# KiCad board visionboard.kicad_pcb
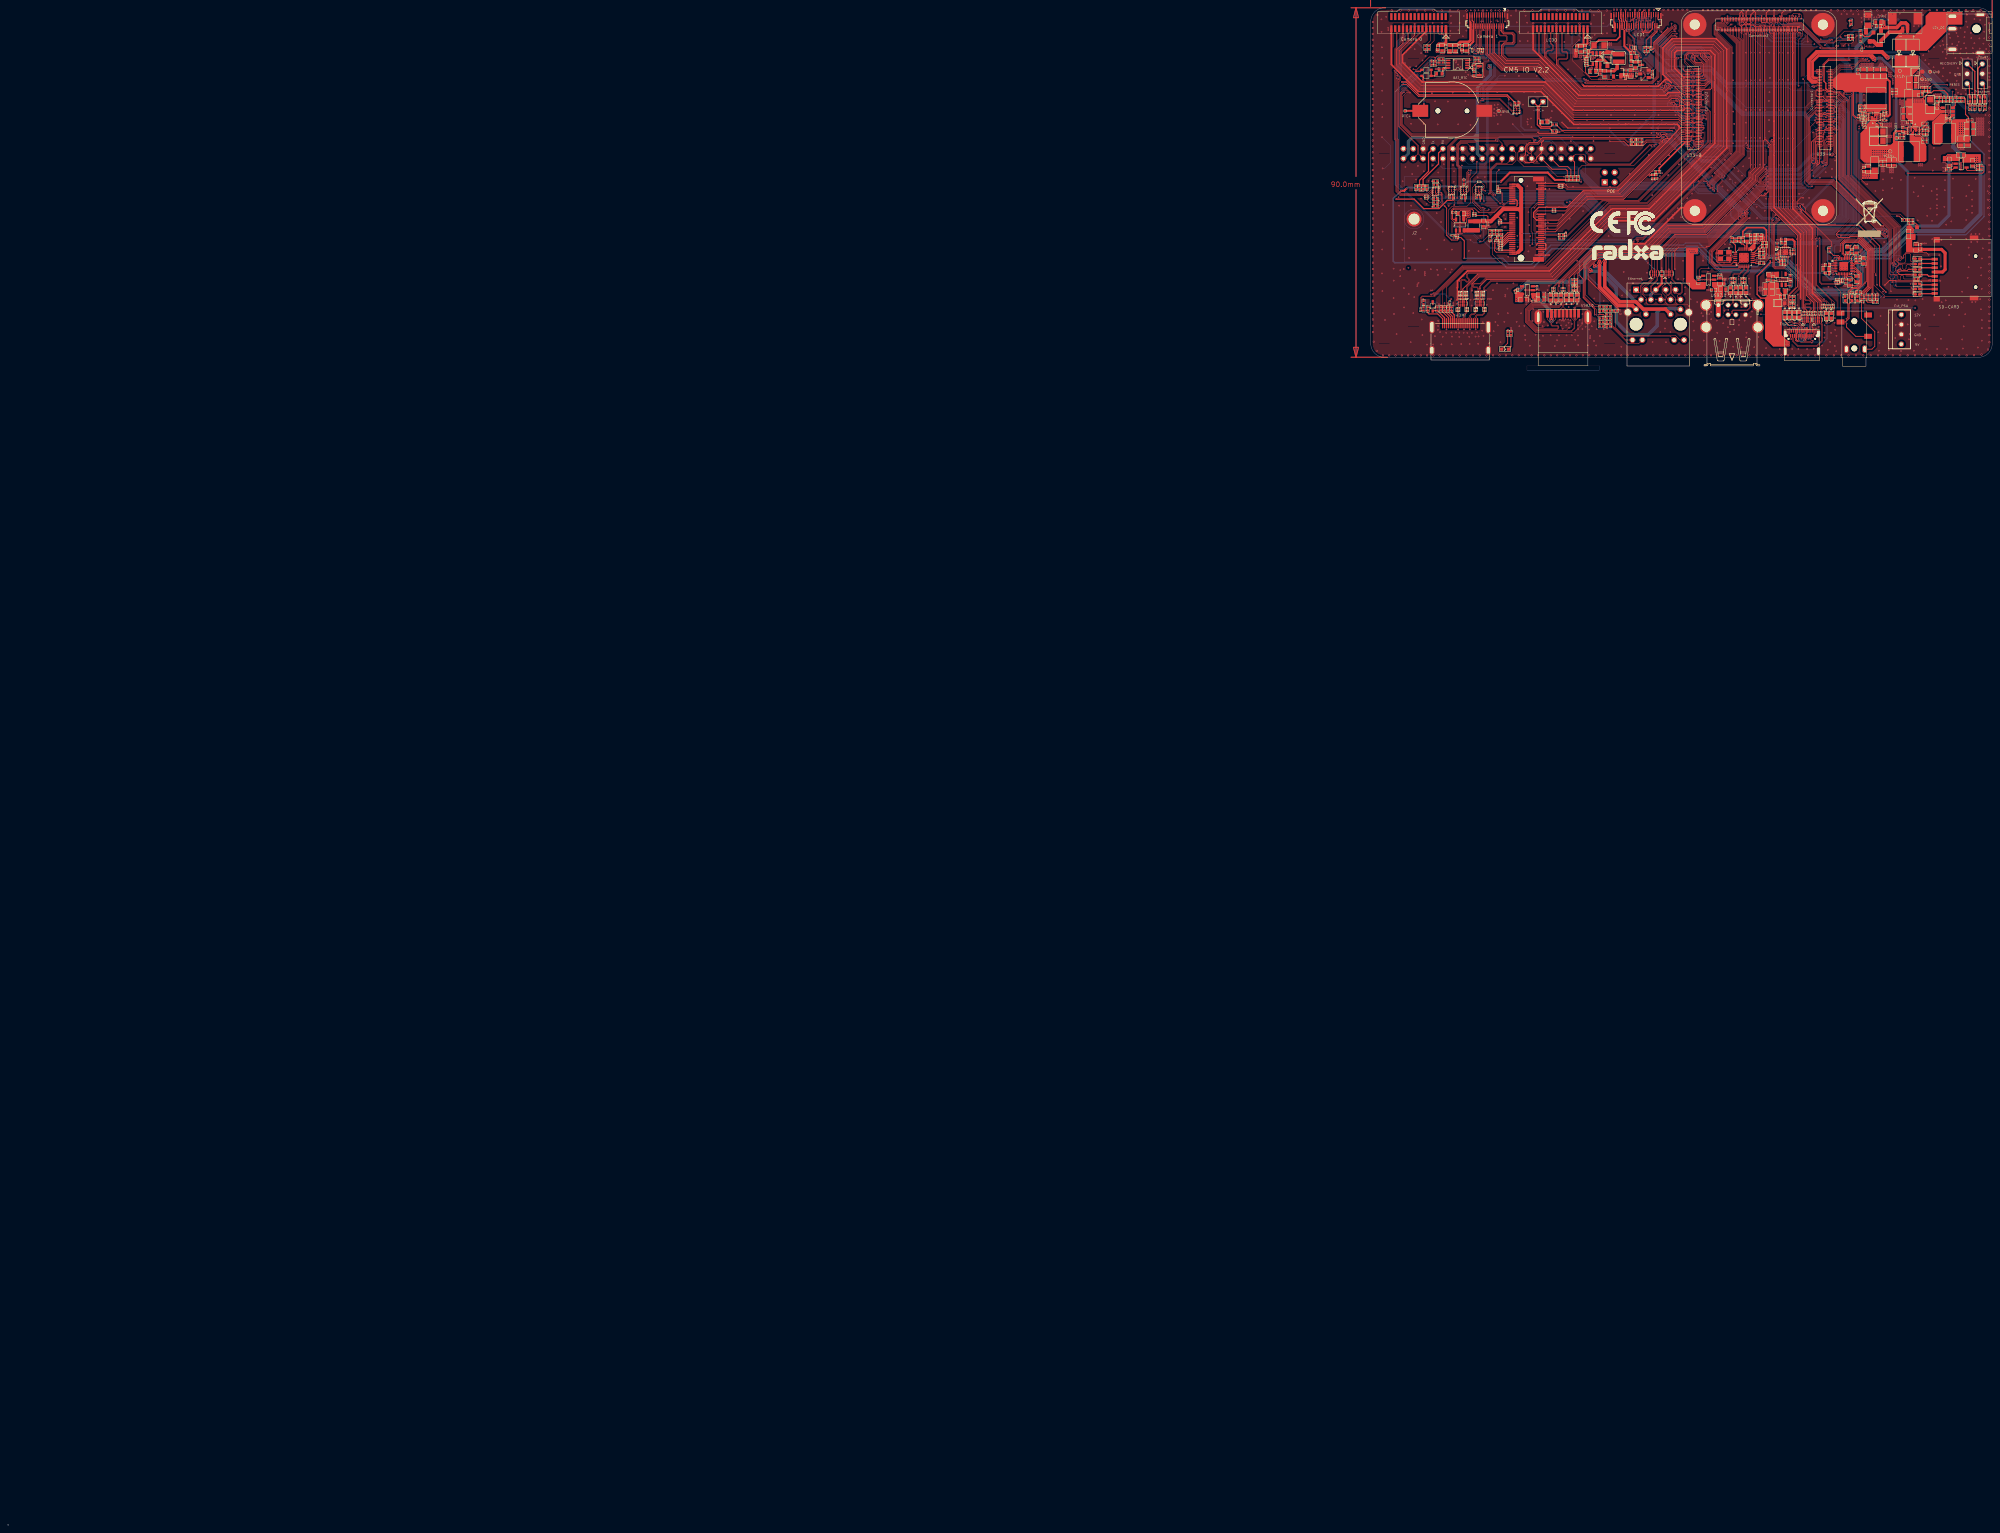
[diagram p0: board, top side]
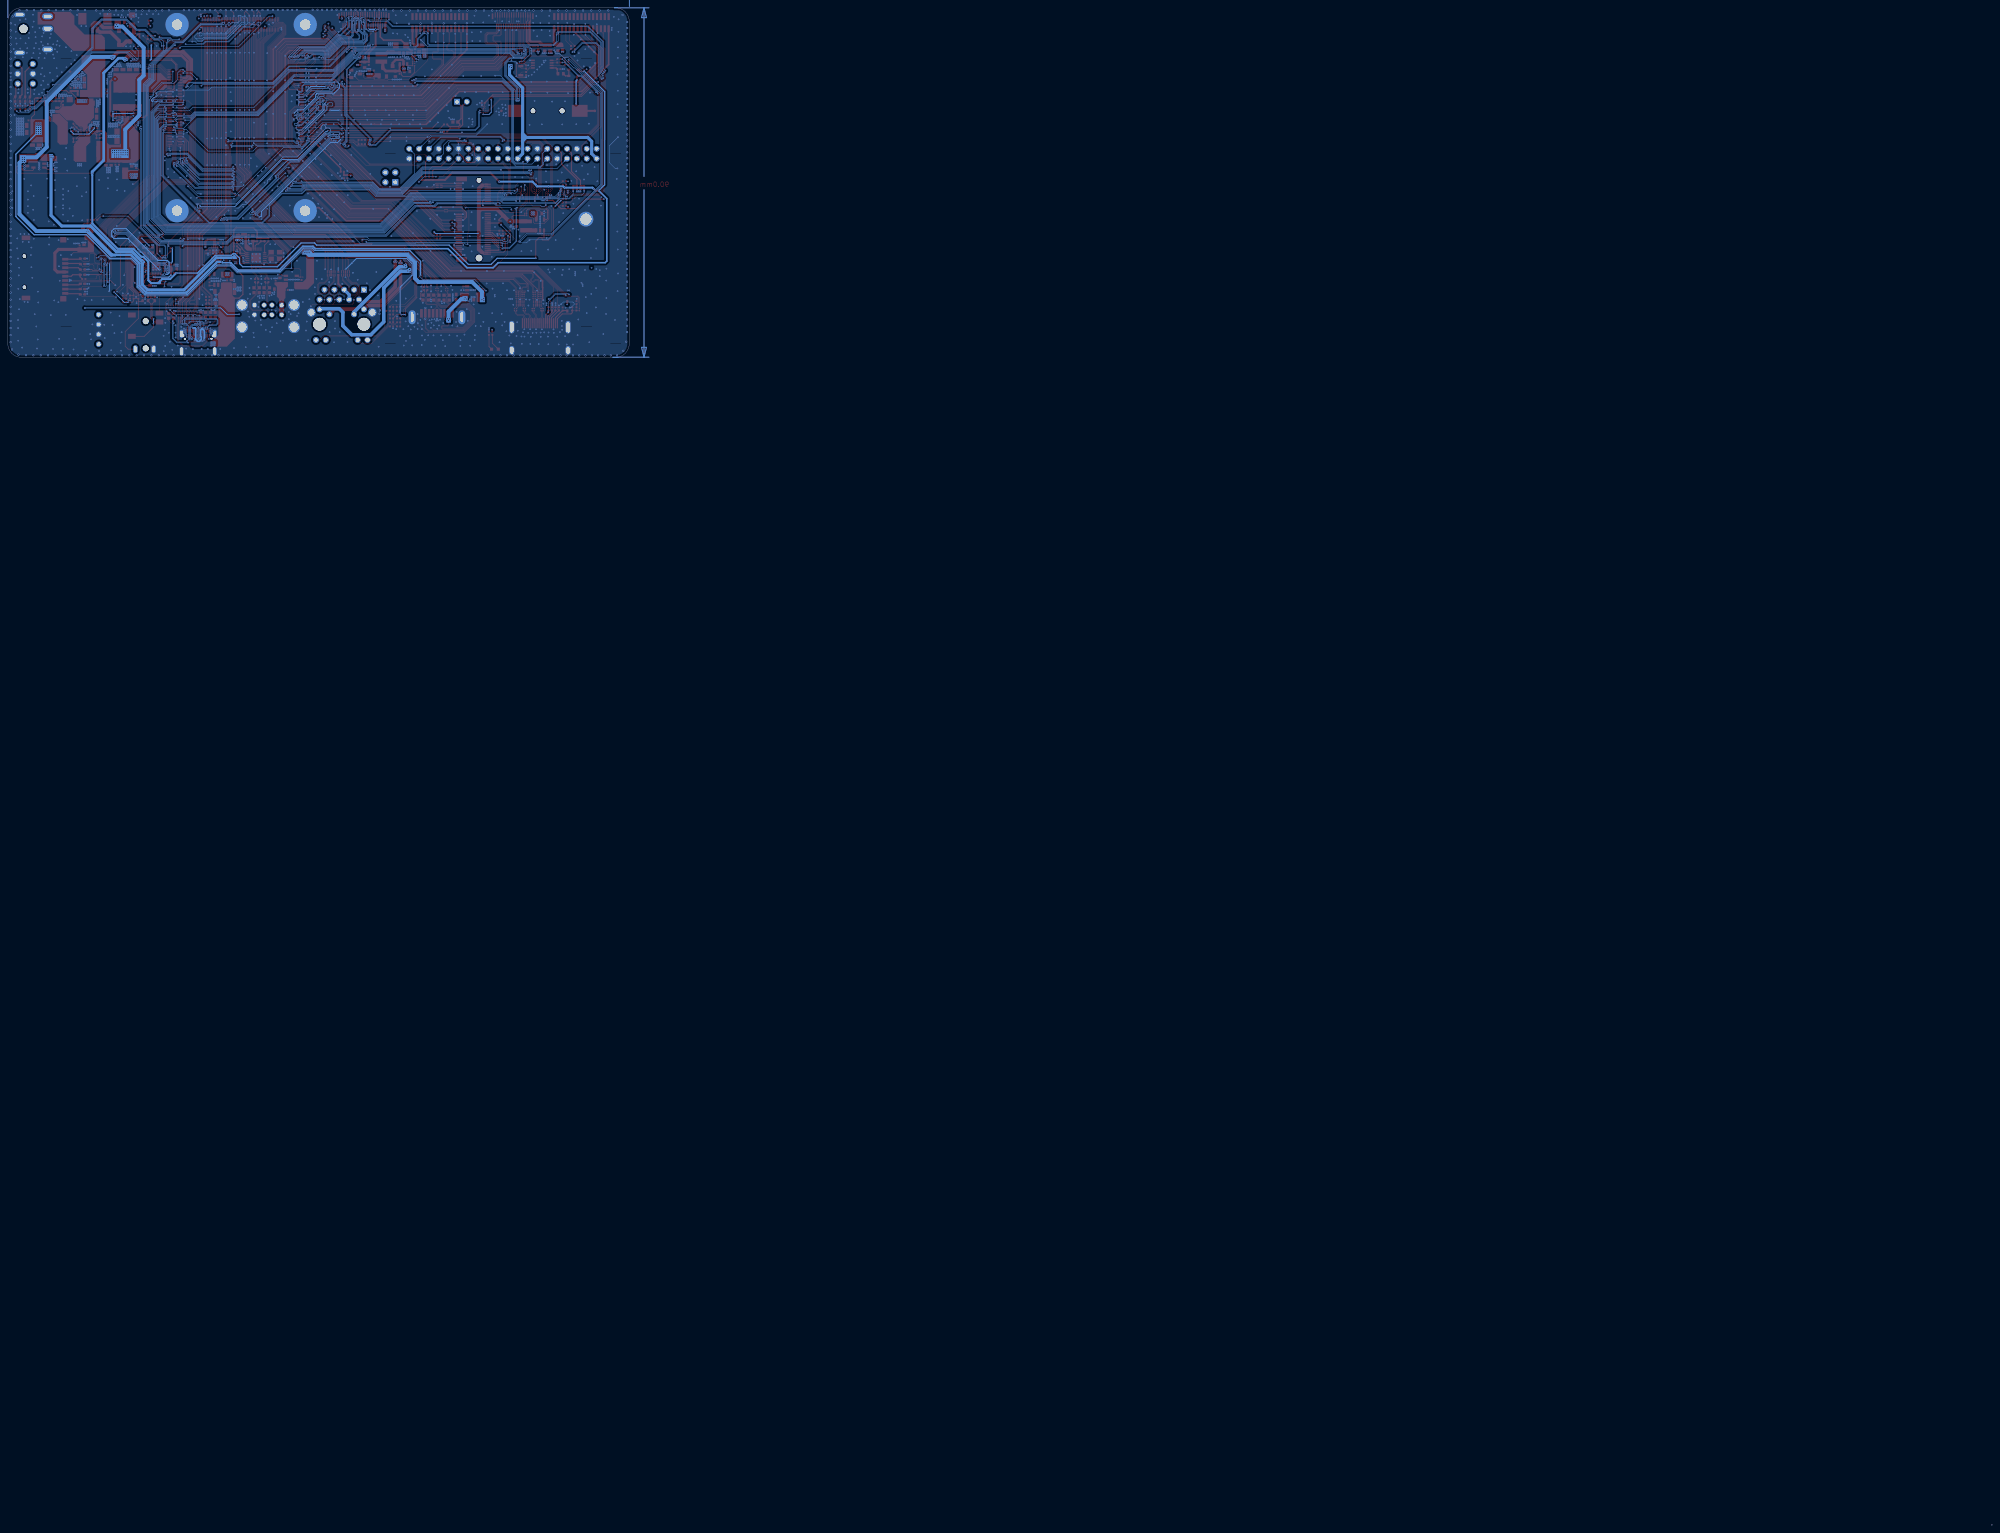
[diagram p1: board, bottom side, seen from below]

Outline 510.94 x 390.79 mm; copper layers: Top, GND, Power, Bottom. Coordinates in mm from the lower left corner of the outline.
Outline path: 0,0.25 0,0 0.25,0 0.25,0.25 0,0.25 ; 350.93,387.29 arc(351.96,389.77) 354.43,390.79 507.44,390.79 arc(509.92,389.77) 510.94,387.29 510.94,304.27 arc(509.92,301.8) 507.44,300.77 354.43,300.77 arc(351.96,301.8) 350.93,304.27 350.93,387.29

## Placement (name value [footprint] x y rotation side)
C1  -  [C0402]  368.08 313.22 90 top
C3  -  [C0402]  425.84 322.39 270 top
C4  -  [C0603]  491.31 329.07 90 top
C5  -  [C0402]  492.43 329.19 90 top
C34  -  [C0402]  406.13 380.57 270 top
C83  -  [C0603]  447.83 331.42 270 top
C84  -  [C0402]  449.33 332.29 180 top
C85  -  [C0402]  451.01 331.49 180 top
C87  -  [C0402]  449.33 331.42 180 top
C88  -  [C0402]  449.33 330.47 180 top
C89  -  [C0402]  451.51 327.57 0 top
C126  -  [C0402]  481.71 386.07 0 top
C127  -  [C0603]  481.63 387.09 0 top
C129  -  [C0402]  493.63 356.22 180 top
C130  -  [C0603]  479.01 349.27 90 top
C131  -  [C0402]  477.91 349.12 90 top
C132  -  [C0805]  488.93 364.37 180 top
C133  -  [C0402]  489.71 361.29 180 top
C134  -  [C0805]  488.93 362.62 180 top
C135  -  [C0402]  482.31 350.77 270 top
C136  -  [C0603]  484.33 350.92 270 top
C137  -  [C0603]  485.66 350.92 270 top
C138  -  [C0402]  483.23 350.77 270 top
C139  -  [C0402]  487.93 359.39 90 top
C140  -  [C0402]  485.71 368.82 180 top
C141  -  [C0402]  492.96 369.74 90 top
C142  -  [C0805]  490.38 370.67 0 top
C143  -  [C0402]  487.68 358.09 180 top
C144  -  [C0402]  493.31 358.62 90 top
C145  -  [C0402]  499.58 361.69 180 top
C146  -  [C0402]  496.73 365.39 90 top
C147  -  [C1206]  494.98 365.89 90 top
C148  -  [C0402]  502.36 367.14 270 top
C149  -  [C0805]  504.58 356.27 270 top
C150  -  [C0402]  505.21 361.79 0 top
C151  -  [C0805]  490.38 372.42 180 top
C152  -  [C0402]  485.71 369.72 180 top
C153  -  [C0402]  496.73 367.14 90 top
C154  -  [C0805]  505.21 358.69 0 top
C155  -  [C0805]  505.21 360.49 0 top
C156  -  [C0805]  502.86 356.27 270 top
C265  -  [C0603]  374.13 337.82 180 top
C266  -  [C0201]  377.58 337.27 180 top
C267  -  [C0603]  379.98 335.22 270 top
C268  -  [C0201]  380.98 335.12 270 top
C269  -  [C0201]  373.13 332.19 0 top
C548  -  [C0603]  372.69 380.41 270 top
C549  -  [C0201]  373.68 380.89 270 top
C558  -  [C0402]  416.68 374.22 90 top
C559  -  [C0603]  417.86 373.82 90 top
C560  -  [C0402]  477.31 316.29 270 top
C561  -  [C0402]  476.46 317.57 180 top
C562  -  [C0603]  473.71 328.41 90 top
C563  -  [C0402]  474.83 327.99 90 top
C564  -  [C0603]  475.91 328.36 90 top
C565  -  [C0603]  477.86 325.59 90 top
C568  -  [C0603]  476.03 320.92 90 top
C569  -  [C0603]  474.31 319.98 270 top
C570  -  [C0402]  473.21 320.38 270 top
C571  -  [C0402]  468.53 324.62 180 top
C572  -  [C0603]  468.13 323.52 180 top
C573  -  [C0402]  476.36 325.78 0 top
C574  -  [C0402]  476.36 326.66 0 top
C658  -  [C0805]  453.41 317.47 180 top
C750  -  [C0201]  379.18 379.84 90 top
C812  -  [C0603]  375.46 380.42 270 top
C813  -  [C0201]  376.43 380.87 270 top
C2010  -  [C0201]  468.93 313.89 270 top
C2011  -  [C0201]  468.31 313.89 270 top
C2013  -  [C0201]  464.92 312.12 270 top
C2014  -  [C0201]  465.52 312.12 270 top
C2019  -  [C0201]  462.21 312.12 270 top
C2020  -  [C0201]  462.81 312.12 270 top
C2280  -  [C0201]  400.13 318.24 270 top
C2281  -  [C0201]  400.73 318.24 270 top
C2282  -  [C0603]  394.78 316.97 0 top
C2283  -  [C0603]  394.81 315.62 0 top
C2284  -  [C0201]  392.88 315.27 180 top
C2330  -  [C0603]  505.86 350.74 270 top
C2332  -  [C0603]  499.93 350.92 270 top
C2335  -  [C0603]  419.08 376.09 270 top
C2606  -  [C0402]  454.48 320.99 270 top
C2607  -  [C0603]  453.38 321.42 270 top
C2608  -  [C0402]  457.16 331.09 180 top
C2609  -  [C0402]  457.16 330.19 180 top
C2611  -  [C0402]  456.93 316.37 0 top
C2612  -  [C0402]  459.85 327.94 270 top
C2613  -  [C0402]  455.55 329.66 90 top
C2614  -  [C0402]  455.48 326.84 270 top
C7320  -  [C0402]  479.46 316.29 270 top
C7322  -  [C0402]  481.33 316.29 90 top
C90084  -  [C0201]  477.53 315.17 0 top
C90392  -  [C0201]  398.11 338.24 180 top
C90393  -  [C0201]  398.11 338.84 180 top
C90399  -  [C0402]  384.38 332.97 270 top
C90408  -  [C0603]  411.13 373.79 270 top
C90409  -  [C0603]  408.13 374.39 180 top
C90410  -  [C0402]  410.06 374.19 270 top
C90420  -  [C0201]  378.01 316.22 270 top
C90421  -  [C0201]  375.71 316.17 270 top
C90422  -  [C0201]  375.13 316.17 270 top
C90423  -  [C0201]  373.66 316.17 270 top
C90424  -  [C0201]  374.21 316.17 270 top
C90425  -  [C0201]  380.08 316.22 270 top
C90426  -  [C0201]  379.51 316.22 270 top
C90427  -  [C0201]  378.53 316.22 270 top
C90429  -  [C0201]  371.28 314.84 270 top
C90430  -  [C0201]  363.76 313.02 270 top
C90431  -  [C0603]  405.03 380.19 270 top
C90448  -  [C0402]  406.13 378.84 90 top
C90478  -  [C0805]  481.28 374.02 90 top
C90479  -  [C0805]  479.58 374.02 90 top
C90480  -  [C1206]  481.56 356.47 0 top
C90481  -  [C0201]  476.53 362.82 270 top
C90482  -  [C0201]  478.21 363.44 270 top
C90483  -  [C0402]  481.81 360.59 0 top
C90484  -  [C1206]  481.56 358.92 0 top
C90485  -  [C0805]  477.83 374.02 90 top
C90486  -  [C0201]  482.98 362.62 270 top
C90487  -  [C0201]  478.01 360.74 180 top
C90488  -  [C0402]  476.46 374.29 90 top
C90489  -  [C0402]  477.41 365.34 0 top
C90490  -  [C0805]  483.01 374.02 90 top
C90582  -  [C0603]  390.27 315.61 180 top
C90615  -  [C0402]  377.48 373.84 270 top
C90616  -  [C0402]  377.48 375.54 90 top
C90617  -  [C0402]  369.06 374.99 180 top
C90618  -  [C0402]  367.61 341.59 0 top
C90750  -  [C0603]  418.76 378.09 0 top
C90751  -  [C0402]  418.38 379.19 0 top
C90772  -  [C0402]  417.98 376.49 270 top
C90773  -  [C0402]  435.31 320.29 90 top
C90774  -  [C0603]  440.86 320.52 90 top
C90775  -  [C0603]  441.59 318.34 0 top
C90776  -  [C0402]  439.23 318.12 180 top
C90777  -  [C0402]  441.98 320.14 90 top
C90778  -  [C0603]  369.28 380.47 270 top
C90779  -  [C0201]  370.23 380.87 270 top
C90780  -  [C0805]  456.76 317.74 0 top
C90781  -  [C0805]  453.41 319.27 180 top
C90782  -  [C0402]  374.83 341.97 0 top
C90783  -  [C0402]  371.78 341.97 0 top
C90784  -  [C0402]  378.68 341.94 0 top
C90787  -  [C0402]  374.91 345.89 270 top
C90788  -  [C0402]  388.54 366.28 180 top
C90789  -  [C0402]  424.36 347.29 270 top
C90790  -  [C0402]  423.53 347.29 270 top
CN14A1  -  [TF-CKT01-009D]  506.67 322.84 0 top
CON1  -  [DIP40PIN_2D54MM]  359.33 354.49 0 top
D1  -  [SOD_323]  366.88 313.89 270 top
D2  -  [SOD_323]  365.28 373.25 0 top
D3  -  [ESD0402_1XD5]  410.31 310.79 180 top
D4  -  [ESD0402_1XD5]  410.33 312.74 0 top
D37  -  [SOD_123]  482.31 383.02 90 top
D41  -  [SOD_123]  455.68 314.72 180 top
D45  -  [DO_214AC]  490.48 379.19 270 top
D46  -  [DO_214AC]  486.93 379.19 270 top
D47  -  [SOD_123]  491.11 374.32 180 top
D48  -  [ESD0402_1XD5]  364.41 344.47 90 top
D49  -  [ESD0402_1XD5]  363.48 344.47 90 top
D5000  -  [SOD_123]  411.86 377.57 270 top
D90031  -  [ESD0402]  404.03 316.17 270 top
D90032  -  [ESD0402]  402.61 316.17 270 top
D90033  -  [ESD0402]  398.63 316.14 270 top
D90034  -  [ESD0402]  397.28 316.14 270 top
D90035  -  [ESD0402]  399.91 316.14 270 top
D90037  -  [ESD0402]  401.28 316.17 270 top
D90038  -  [SOD_323]  365.28 374.82 0 top
ED1  -  [ESD0402_1XD5]  365.61 313.24 90 top
ED2  -  [ESD0402_1XD5]  369.03 313.24 90 top
ED3  -  [ESD0402_1XD5]  369.93 313.24 90 top
ED5  -  [ESD0402_1XD5]  370.83 313.24 90 top
ED6  -  [ESD0402]  444.96 318.04 270 top
ED9  -  [E0402N]  491.71 316.99 180 top
ED10  -  [E0402N]  491.71 318.34 180 top
ED11  -  [E0402N]  491.71 319.69 180 top
ED12  -  [E0402N]  491.71 322.04 180 top
ED13  -  [E0402N]  491.68 323.39 180 top
ED14  -  [E0402N]  491.68 324.79 180 top
ED15  -  [E0402N]  491.68 326.19 180 top
ED20  -  [ESD0402]  447.54 318.05 270 top
ED21  -  [ESD0402]  446.19 318.05 270 top
ED22  -  [ESD0402]  443.56 318.05 270 top
ED2109  -  [E0402N]  476.23 315.92 90 top
ED2110  -  [E0402N]  473.08 315.91 90 top
ED2111  -  [E0402N]  474.83 315.92 90 top
ED4806  -  [E0402N]  507.78 367.27 270 top
ED7104  -  [ESD0402]  395.71 361.37 0 top
ED9203  -  [E0402N]  509.03 367.27 270 top
ED9204  -  [E0402N]  505.23 367.27 270 top
ED9205  -  [E0402N]  506.46 367.27 270 top
ED9206  -  [ESD0402_1XD5]  371.73 313.24 90 top
ESD2701  -  [ESD0402]  469.51 311.47 90 top
ESD2702  -  [ESD0402]  457.56 311.72 90 top
ESD2703  -  [ESD0402]  461.21 311.72 90 top
ESD2704  -  [ESD0402]  468.21 311.47 90 top
ESD2706  -  [ESD0402]  458.69 311.73 90 top
ESD27052  -  [ESD0402]  460.06 311.73 90 top
FB2  -  [L0402]  368.18 380.49 90 top
FB6  -  [L0402]  403.96 380.44 90 top
FB7  -  [L0402]  374.41 380.49 90 top
FB261  -  [MCZ1210AH900L2]  400.46 344.57 90 top
J1  -  [HDMIA19S]  373.93 309.54 180 top
J2  -  [HOLE_D5_3D]  362.08 336.36 0 top
J3  -  [RJ45_HRK1]  419.24 318.19 0 top
J4  -  [DIP4PIN-2_54MM-2X2]  411.18 345.84 90 top
J6  -  [FPC15PIN-1.0MM-LS]  406.73 385.39 180 top
J7  -  [FPC15PIN-1.0MM-LS]  370.23 385.39 180 top
J10  -  [DIP2PIN-2P54MM]  395.28 366.59 270 top
J15  -  [PJ-327A]  475.43 303.07 90 top
J24  -  [DF40C_100DS]  462.27 387.91 270 top
J5002  -  [FH35C_31P_0_6SHW]  385.43 388.94 180 top
J8202  -  [TYPEC-24PIN-SMD-OK]  457.63 302.32 0 top
J8203  -  [USB_DUAL]  443.93 308.54 90 top
L3  -  [R0402]  446.73 331.04 90 top
L4  -  [L0402]  451.01 332.34 180 top
L12  -  [IND-5020]  489.61 353.79 180 top
L13  -  [IND-5020]  498.88 358.39 0 top
L5000  -  [IND_3X3]  414.76 377.87 0 top
L5002  -  [IND-5020]  481.03 367.47 90 top
L5003  -  [SMD_TCM0605T]  380.03 317.59 270 top
L5004  -  [SMD_TCM0605T]  378.51 317.57 270 top
L5005  -  [SMD_TCM0605T]  375.66 317.54 270 top
L5006  -  [SMD_TCM0605T]  374.18 317.54 270 top
L5007  -  [SMD_TCM0605T]  378.18 313.32 270 top
L5008  -  [SMD_TCM0605T]  380.43 313.32 270 top
L5009  -  [SMD_TCM0605T]  375.91 313.32 270 top
L5010  -  [SMD_TCM0605T]  373.61 313.32 270 top
L5011  -  [IND_303015]  377.48 334.69 90 top
L5012  -  [MCZ1210AH900L2]  443.96 319.95 0 top
L90020  -  [MCZ1210AH900L2]  459.71 314.77 180 top
L90026  -  [MCZ1210AH900L2]  403.63 319.12 180 top
L90027  -  [MCZ1210AH900L2]  447.14 321.15 180 top
LED4  -  [LED0603]  385.51 302.87 0 top
P4  -  [TP_0R70]  486.33 357.29 180 top
P6  -  [TP_0R70]  494.93 374.32 180 top
Q1  -  [SOT23]  490.62 333.11 180 top
Q15  -  [SOT23]  479.4 383.28 180 top
Q9514  -  [SOT_23]  414.38 374.19 0 top
Q9515  -  [SOT_23]  421.41 373.77 90 top
R1  -  [R0402]  412.13 308.74 0 top
R2  -  [R0402]  410.31 308.74 180 top
R3  -  [R0402]  410.31 309.79 0 top
R4  -  [R0402]  412.13 309.79 180 top
R5  -  [R0402]  412.13 313.79 180 top
R6  -  [R0402]  410.38 313.79 0 top
R7  -  [R0402]  413.98 312.74 180 top
R8  -  [R0402]  412.13 312.74 180 top
R9  -  [R0402]  412.13 311.79 0 top
R10  -  [R0402]  412.13 310.79 180 top
R11  -  [R0402]  491.36 320.94 0 top
R12  -  [R0402]  490.01 335.32 0 top
R13  -  [R0402]  489.99 336.18 180 top
R91  -  [R0402]  445.81 331.04 270 top
R94  -  [R0402]  452.33 329.34 180 top
R96  -  [R0402]  443.83 331.04 270 top
R97  -  [R0402]  451.51 328.52 180 top
R102  -  [R0402]  451.56 324.99 0 top
R105  -  [R0402]  452.33 330.24 180 top
R106  -  [R0402]  451.51 326.68 180 top
R120  -  [R0402]  369.06 376.69 180 top
R121  -  [R0402]  378.28 376.94 180 top
R147  -  [R0402]  493.63 357.14 0 top
R148  -  [R1206]  480.69 350.26 90 top
R149  -  [R0402]  493.63 360.97 180 top
R150  -  [R1206]  489.33 367.52 90 top
R151  -  [R0402]  492.53 368.42 180 top
R152  -  [R0402]  493.63 359.97 180 top
R153  -  [R0402]  494.76 369.74 270 top
R154  -  [R0402]  493.86 369.74 270 top
R155  -  [R0402]  487.68 357.22 0 top
R156  -  [R0402]  494.21 358.62 270 top
R157  -  [R0402]  503.31 367.14 270 top
R158  -  [R0402]  499.48 367.14 270 top
R159  -  [R0402]  500.38 367.14 270 top
R160  -  [R0402]  497.68 367.14 90 top
R161  -  [R0402]  501.41 367.14 90 top
R167  -  [R0402]  362.56 344.52 270 top
R168  -  [R0402]  365.36 344.52 270 top
R214  -  [R0402]  477.03 382.72 270 top
R215  -  [R0402]  477.03 384.37 90 top
R220  -  [R0603]  489.38 332.49 270 top
R249  -  [R0402]  446.44 320.52 90 top
R250  -  [R0402]  447.29 320.52 90 top
R253  -  [R0402]  443.81 320.57 270 top
R254  -  [R0402]  444.66 320.57 270 top
R316  -  [R0603]  371.29 380.41 90 top
R353  -  [R1206]  478.96 387.59 90 top
R396  -  [R0402]  469.03 328.44 270 top
R715  -  [R0201]  379.78 379.82 90 top
R814  -  [R0201]  378.56 379.84 90 top
R952  -  [R0201]  380.08 317.32 270 top
R953  -  [R0201]  379.51 317.32 270 top
R954  -  [R0201]  378.53 317.29 270 top
R955  -  [R0201]  378.01 317.29 270 top
R956  -  [R0201]  375.71 317.27 270 top
R957  -  [R0201]  375.13 317.27 270 top
R958  -  [R0201]  374.21 317.27 270 top
R959  -  [R0201]  373.68 317.27 270 top
R2004  -  [R0201]  469.51 313.89 270 top
R2005  -  [R0201]  470.08 313.89 90 top
R2006  -  [R0201]  467.13 313.89 90 top
R2007  -  [R0201]  467.71 313.89 270 top
R2013  -  [R0201]  466.52 312.12 270 top
R2015  -  [R0201]  467.12 312.12 270 top
R2016  -  [R0201]  463.58 312.12 270 top
R2017  -  [R0201]  464.18 312.12 270 top
R2311  -  [R0402]  508.16 349.59 270 top
R2322  -  [R0402]  499.73 349.14 180 top
R2611  -  [R0402]  459.01 321.39 270 top
R2612  -  [R0402]  459.01 319.67 90 top
R2613  -  [R0402]  456.47 325.16 270 top
R4203  -  [R0402]  474.48 383.59 180 top
R5004  -  [R1206]  409.71 381.12 0 top
R7120  -  [R0402]  398.21 360.74 180 top
R7125  -  [R0402]  398.21 358.94 0 top
R7313  -  [R0402]  478.56 316.29 90 top
R7314  -  [R0402]  480.83 314.97 180 top
R7315  -  [R0402]  480.43 316.29 270 top
R9241  -  [R0201]  477.38 380.04 90 top
R90334  -  [R0402]  474.48 382.74 0 top
R90337  -  [R0201]  471.28 320.04 90 top
R90338  -  [R0201]  474.76 317.42 180 top
R90340  -  [R0201]  471 320.86 180 top
R90341  -  [R0201]  470.71 320.04 270 top
R91181  -  [R0201]  397.63 318.19 270 top
R91182  -  [R0201]  398.23 318.2 270 top
R91188  -  [R0402]  459.91 315.94 270 top
R91189  -  [R0402]  459.01 315.94 270 top
R91193  -  [R0201]  393.74 318.84 270 top
R91375  -  [R0201]  388.23 317.69 90 top
R95028  -  [R0402]  366.58 376.52 90 top
R95039  -  [R0201]  406.43 375.89 0 top
R95041  -  [R0201]  416.58 372.74 270 top
R95042  -  [R0201]  423.51 374.24 270 top
R95043  -  [R0201]  423.51 373.14 90 top
R95044  -  [R0201]  419.31 373.54 90 top
R95071  -  [R0201]  406.91 379.57 90 top
R95072  -  [R0201]  406.91 378.49 90 top
R95073  -  [R0201]  406.43 377.62 0 top
R95113  -  [R0201]  483.21 361.77 180 top
R95114  -  [R0201]  478.01 361.34 0 top
R95115  -  [R0402]  477.41 364.44 180 top
R95116  -  [R0201]  477.38 361.87 180 top
R95117  -  [R0201]  483.23 364.02 0 top
R95118  -  [R0201]  478.28 362.32 270 top
R95119  -  [R0201]  483.23 363.44 180 top
R95120  -  [R0201]  477.38 362.44 0 top
R95121  -  [R0201]  477.61 363.44 270 top
R95122  -  [R0201]  478.06 359.97 0 top
R95137  -  [R0201]  406.43 377.04 0 top
R95141  -  [R0201]  399.87 345.13 0 top
R95142  -  [R0201]  399.87 344.56 0 top
R95143  -  [R0201]  384.2 335.37 0 top
R95144  -  [R0402]  400.01 332.32 180 top
R95145  -  [R0402]  384.03 331.52 0 top
R95146  -  [R0402]  400.01 331.39 180 top
R95147  -  [R0201]  384.33 330.77 0 top
R95148  -  [R0201]  384.33 330.19 0 top
R95149  -  [R0201]  384.33 329.62 0 top
R95150  -  [R0201]  384.33 329.04 0 top
R95151  -  [R0201]  401.16 332.42 90 top
R95152  -  [R0201]  384.33 328.44 0 top
R95153  -  [R0201]  384.2 335.94 0 top
R95154  -  [R0201]  383.25 330.77 180 top
R95155  -  [R0402]  381.7 332.97 90 top
R95159  -  [R0402]  383.48 332.97 270 top
R95209  -  [R0201]  373.13 331.62 180 top
R95210  -  [R0201]  372.2 338.07 0 top
R95239  -  [R0201]  372.03 332.19 0 top
R95263  -  [R0201]  378.23 313.04 270 top
R95264  -  [R0201]  377.66 313.04 270 top
R95265  -  [R0201]  380.48 313.04 270 top
R95266  -  [R0201]  379.91 313.04 270 top
R95267  -  [R0201]  375.38 313.04 270 top
R95268  -  [R0201]  375.93 313.04 270 top
R95269  -  [R0201]  373.66 313.04 270 top
R95270  -  [R0201]  373.08 313.04 270 top
R95281  -  [R0201]  377.58 337.87 180 top
R95282  -  [R0402]  364.52 313.23 270 top
R95373  -  [R0603]  368.58 373.79 0 top
R95374  -  [R0402]  367.51 376.52 90 top
R95375  -  [R0402]  378.28 377.84 0 top
R95377  -  [R0402]  369.06 377.57 180 top
R95467  -  [R0201]  423.11 380.34 90 top
R95468  -  [R0402]  421.43 380.07 90 top
R95469  -  [R0201]  365.23 341.74 180 top
R95470  -  [R0201]  365.23 342.32 180 top
R95471  -  [R0201]  419.11 380.44 90 top
R95472  -  [R0201]  418.51 380.44 90 top
R95495  -  [R0402]  507.73 365.12 90 top
R95530  -  [R0402]  420.18 376.49 90 top
R95541  -  [R0402]  422.36 380.07 270 top
R95546  -  [R0402]  459.88 314.14 270 top
R95547  -  [R0402]  459.01 314.14 270 top
R95550  -  [R0402]  403.78 318.49 270 top
R95551  -  [R0402]  403.78 320.27 270 top
R95552  -  [R0402]  402.88 320.27 270 top
R95553  -  [R0402]  402.91 318.49 270 top
R95555  -  [R0201]  435.23 321.44 180 top
R95556  -  [R0201]  440.76 322.09 0 top
R95557  -  [R0402]  468.53 322.44 0 top
R95558  -  [R0201]  471.89 320.62 90 top
R95570  -  [R0402]  365.91 380.57 90 top
R95571  -  [R0402]  364.98 380.57 90 top
R95572  -  [R0402]  498.58 367.14 270 top
R95573  -  [R0201]  472.43 320.62 270 top
R95578  -  [R0201]  406.43 376.47 0 top
R95579  -  [R0201]  388.81 318.14 270 top
R95580  -  [R0201]  377.03 379.87 90 top
R95581  -  [R0402]  382.6 332.97 90 top
R95582  -  [R0402]  509.03 365.04 90 top
R95583  -  [R0201]  383.88 343.77 180 top
R95584  -  [R0402]  505.21 365.17 90 top
R95585  -  [R0402]  506.41 365.17 90 top
R95586  -  [R0201]  383.85 343.17 0 top
R95587  -  [R0201]  378.83 345.94 180 top
R95589  -  [R0402]  474.66 387.09 90 top
R95590  -  [R0402]  402.46 346.87 90 top
R95591  -  [R0402]  401.53 346.87 90 top
R95592  -  [R0402]  404.33 346.87 90 top
R95593  -  [R0402]  403.41 346.87 90 top
R95594  -  [R0402]  367.63 345.22 180 top
R95595  -  [R0402]  367.63 346.12 180 top
R95596  -  [R0402]  367.61 339.77 180 top
R95597  -  [R0402]  367.61 340.67 180 top
R95598  -  [R0201]  383.63 344.62 90 top
R95599  -  [R0402]  457.37 325.16 90 top
R95602  -  [R0402]  387.03 306.97 90 top
R95603  -  [R0402]  386.18 306.97 270 top
R95606  -  [R0402]  507.26 349.59 270 top
R95607  -  [R0603]  502.86 352.94 180 top
R95609  -  [R0402]  418.58 356.77 0 top
R95610  -  [R0402]  420.23 356.77 180 top
R95611  -  [R0402]  420.23 355.67 0 top
R95612  -  [R0402]  418.58 355.67 180 top
R95613  -  [R0402]  488.32 336.18 0 top
R95614  -  [R0402]  381.71 331.32 270 top
R95615  -  [R0402]  364.52 314.86 90 top
R95616  -  [R0402]  424.83 348.57 180 top
TP6  -  [TP_0R70]  444.83 330.67 0 top
TP9  -  [TP_0R70]  487.13 374.57 0 top
TP10  -  [TP_0R70]  484.71 353.82 180 top
TP11  -  [TP_0R70]  492.83 372.42 0 top
TP14  -  [TP_0R70]  383.86 364.24 0 top
TP16  -  [TP_0R70]  359.81 364.24 0 top
U1  -  [QFN12_2R00X3R00X1R00]  480.66 362.69 90 top
U3  -  [MSOP8]  373.33 376.24 180 top
U5  -  [SON10_2R50X1R00X0R50]  423.99 322.39 0 top
U6  -  [SON10_2R50X1R00X0R50]  427.69 322.39 0 top
U17  -  [QFN24]  447.01 326.43 270 top
U26  -  [SMD_1D25X2PIN_90]  489.13 385.14 0 top
U27  -  [QFN12_2R00X3R00X1R00]  490.66 359.09 270 top
U28  -  [XIAO_4PIN_2D54]  487.54 311.78 270 top
U29  -  [SOT_23_6]  499.53 364.09 90 top
U32  -  [DIP3_1X2P54]  508.38 373.79 270 top
U33  -  [DF40C-200DS-D4-OK]  450.86 362.5 0 top
U37  -  [DC-044A]  510.88 385.39 90 top